# KiCad board k410t-devboard.kicad_pcb (continued)
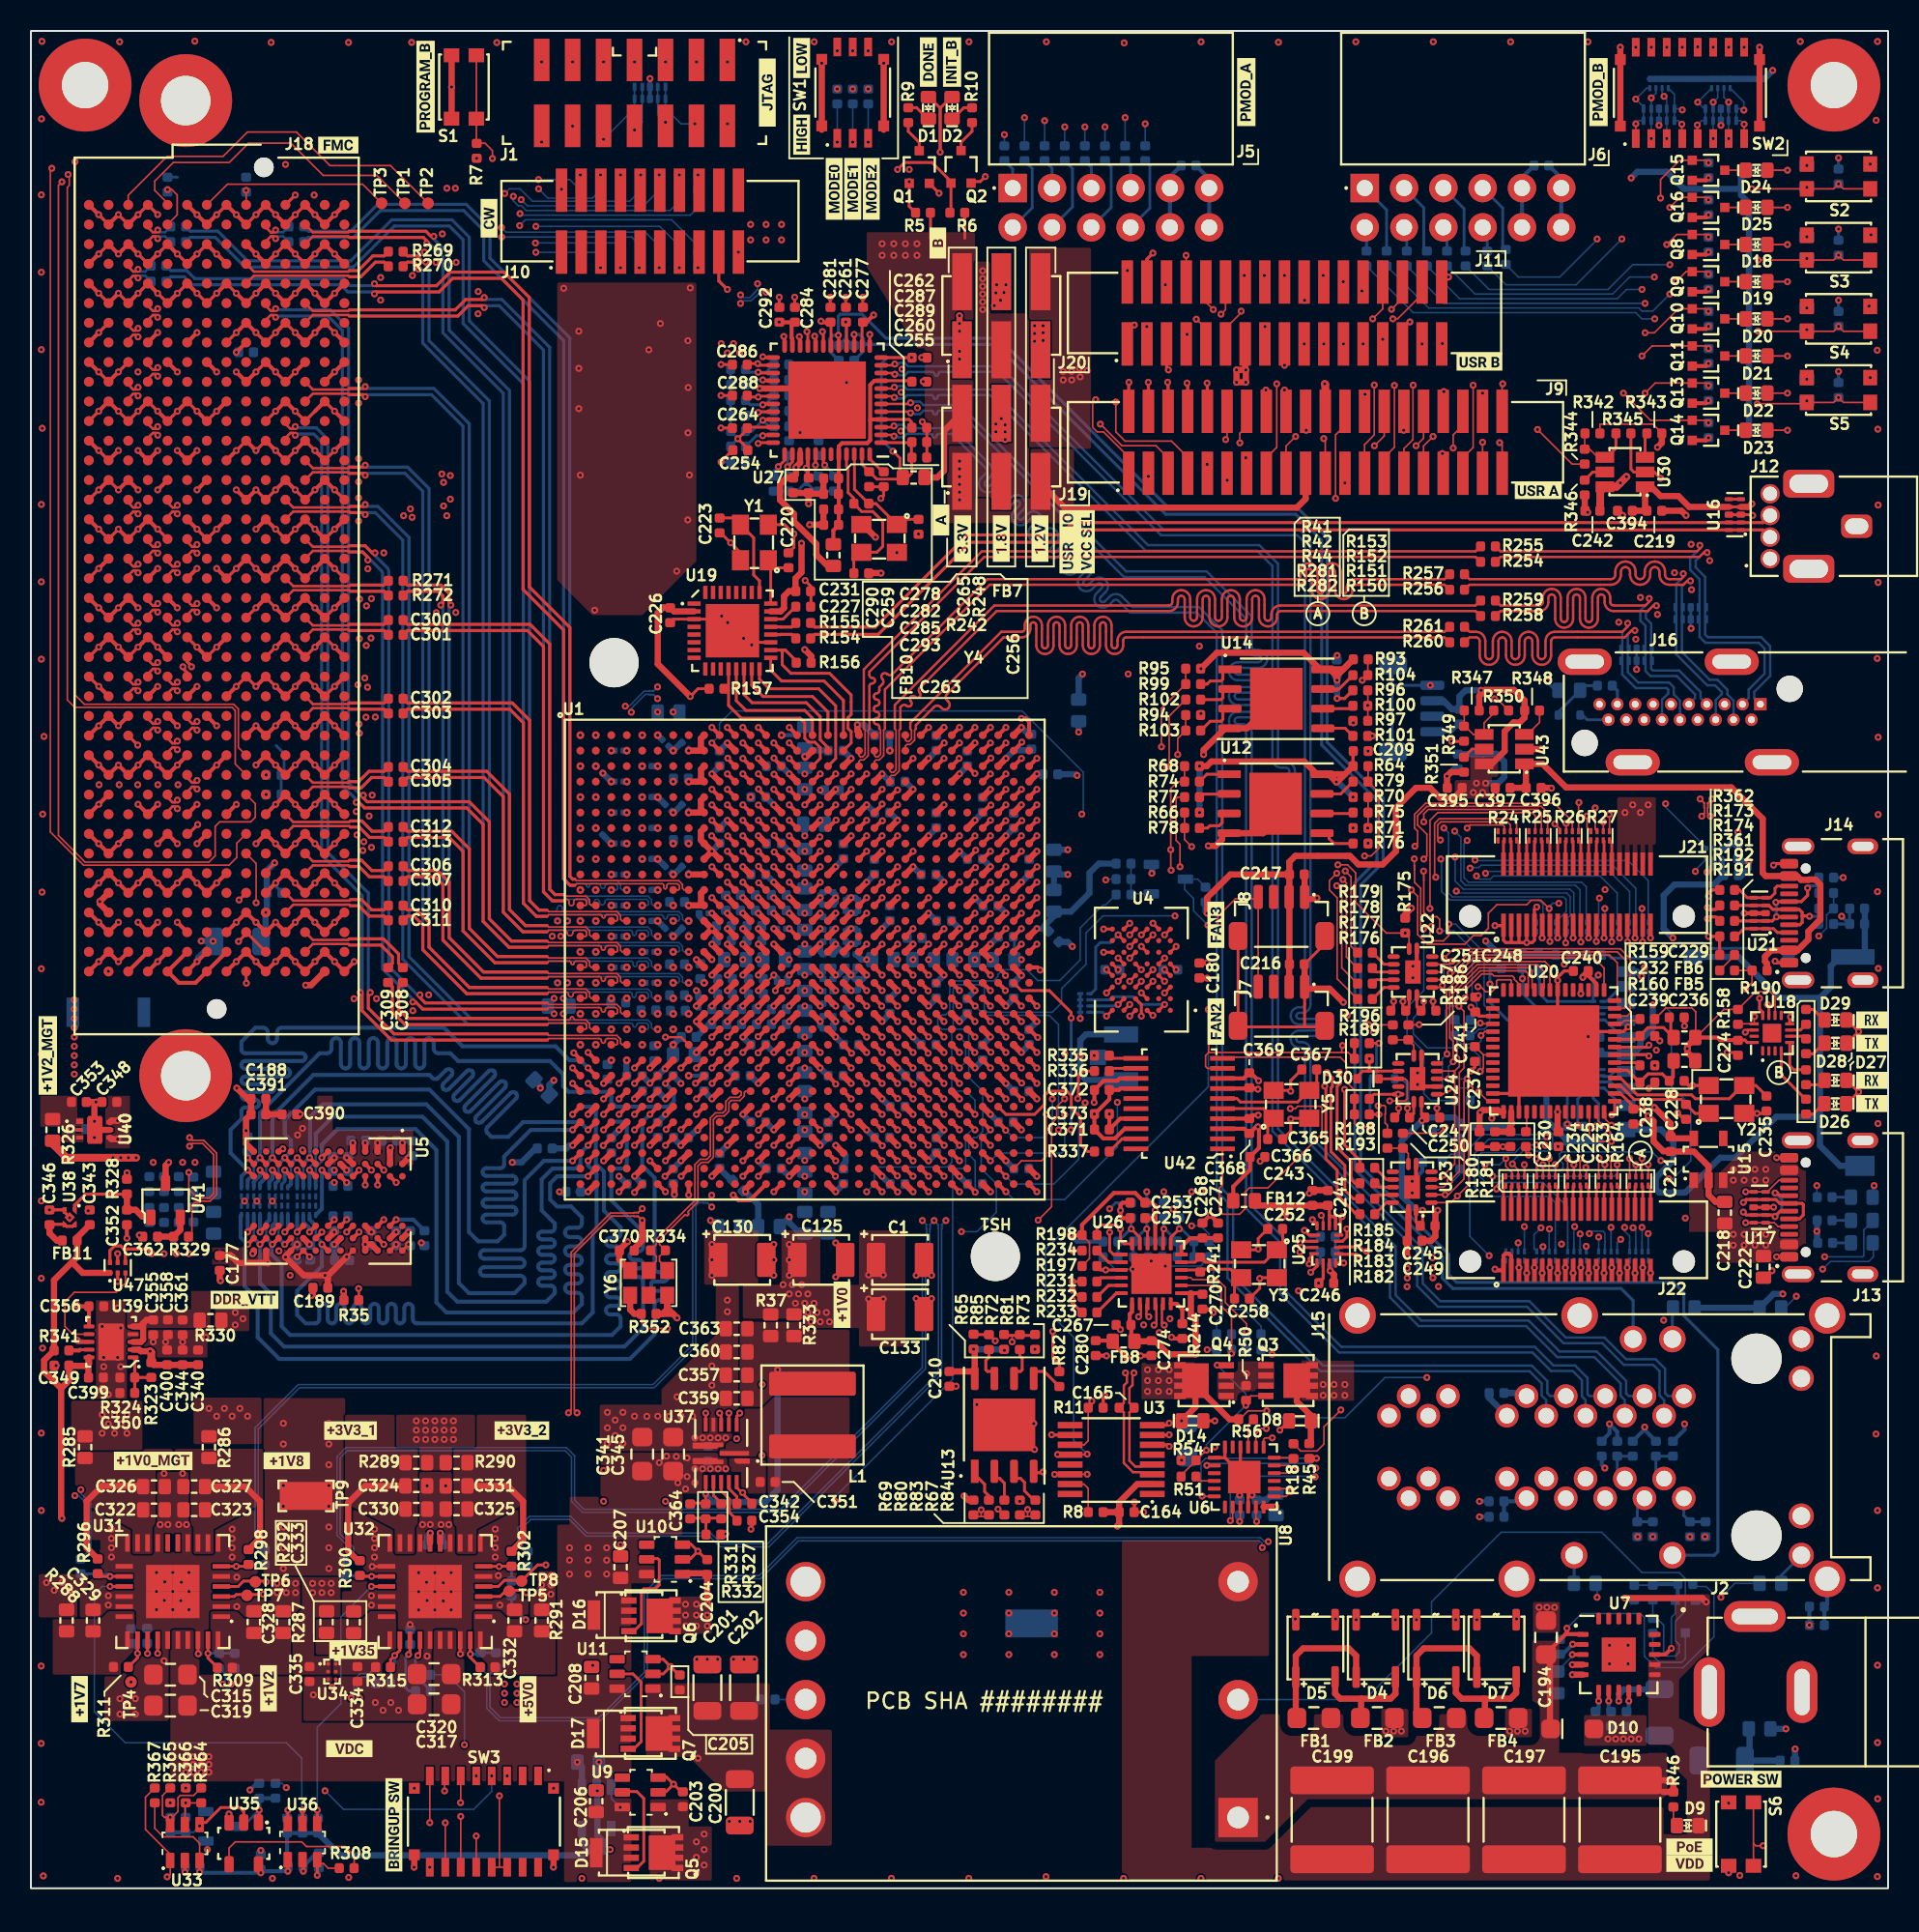
[diagram p0: board, top side]
## Routing (per net, layer and track width the routed paths; a pad name or vN(x,y) marks a point on that pad's centre or on a via; arc(x,y) is an arc through that point) (continued)
/DRAM + SRAM/DDR.A1: length 40.7
  Top w0.256: v1(15.6,42.4) U5.L7 ; v1(36.98,47.99) 36.99,47.99 U1.AG3
  In7.Cu w0.157: v1(15.6,42.4) 15.6,43.22 17.28,44.9 27.6,44.9 28,44.5 29.25,44.5 arc(29.44,44.58) 29.53,44.78 29.53,45.13 arc(29.61,45.33) 29.8,45.41 arc(29.99,45.33) 30.07,45.13 30.07,43.87 arc(30.16,43.67) 30.35,43.59 arc(30.54,43.67) 30.62,43.87 30.62,45.13 arc(30.71,45.33) 30.9,45.41 arc(31.09,45.33) 31.18,45.13 31.18,43.87 arc(31.26,43.67) 31.45,43.59 arc(31.64,43.67) 31.72,43.87 31.72,45.13 arc(31.81,45.33) 32,45.41 arc(32.19,45.33) 32.28,45.13 32.28,43.87 arc(32.36,43.67) 32.55,43.59 arc(32.74,43.67) 32.82,43.87 32.82,44.22 arc(32.91,44.42) 33.1,44.5 38.22,44.5 38.5,44.78 38.5,47.22 38.22,47.5 37.47,47.5 v1(36.98,47.99)
  Bottom w0.256: v1(15.6,42.4) 15.6,42.82 15.8,43.02 15.8,43.5
/DRAM + SRAM/DDR.A2: length 41.1
  Top w0.256: v1(15.6,46.4) U5.L3 ; U1.AG4 38.03,48.03 v1(38.03,47.99)
  In5.Cu w0.15: 15.2,47.05 15.2,47.35
  In5.Cu w0.157: v1(15.6,46.4) 15.2,46.8 15.2,47.05 ; v1(38.03,47.99) 37.5,48.51 30.53,48.51 29.44,49.6 28.81,49.6 arc(28.67,49.66) 28.61,49.81 28.61,49.96 arc(28.55,50.1) 28.41,50.16 arc(28.27,50.1) 28.21,49.96 28.21,49.81 arc(28.15,49.66) 28.01,49.6 arc(27.87,49.66) 27.81,49.81 27.81,49.96 arc(27.75,50.1) 27.61,50.16 arc(27.47,50.1) 27.41,49.96 27.41,49.81 arc(27.35,49.66) 27.21,49.6 arc(27.07,49.66) 27.01,49.81 27.01,49.96 arc(26.95,50.1) 26.81,50.16 arc(26.67,50.1) 26.61,49.96 26.61,49.81 arc(26.55,49.66) 26.41,49.6 arc(26.27,49.66) 26.21,49.81 26.21,49.96 arc(26.15,50.1) 26.01,50.16 arc(25.87,50.1) 25.81,49.96 25.81,49.81 arc(25.75,49.66) 25.61,49.6 arc(25.47,49.66) 25.41,49.81 25.41,49.96 arc(25.35,50.1) 25.21,50.16 arc(25.07,50.1) 25.01,49.96 25.01,49.81 arc(24.95,49.66) 24.81,49.6 arc(24.67,49.66) 24.61,49.81 24.61,49.96 arc(24.55,50.1) 24.41,50.16 arc(24.27,50.1) 24.21,49.96 24.21,49.81 arc(24.15,49.66) 24.01,49.6 arc(23.87,49.66) 23.81,49.81 23.81,49.96 arc(23.75,50.1) 23.61,50.16 arc(23.47,50.1) 23.41,49.96 23.41,49.81 arc(23.35,49.66) 23.21,49.6 arc(23.07,49.66) 23.01,49.81 23.01,49.96 arc(22.95,50.1) 22.81,50.16 arc(22.67,50.1) 22.61,49.96 22.61,49.81 arc(22.55,49.66) 22.41,49.6 arc(22.27,49.66) 22.21,49.81 22.21,49.96 arc(22.15,50.1) 22.01,50.16 arc(21.87,50.1) 21.81,49.96 21.81,49.81 arc(21.75,49.66) 21.61,49.6 arc(21.47,49.66) 21.41,49.81 21.41,49.96 arc(21.35,50.1) 21.21,50.16 arc(21.07,50.1) 21.01,49.96 21.01,49.81 arc(20.95,49.66) 20.81,49.6 arc(20.67,49.66) 20.61,49.81 20.61,49.96 arc(20.55,50.1) 20.41,50.16 arc(20.27,50.1) 20.21,49.96 20.21,49.81 arc(20.15,49.66) 20.01,49.6 arc(19.87,49.66) 19.81,49.81 19.81,49.96 arc(19.75,50.1) 19.61,50.16 arc(19.47,50.1) 19.41,49.96 19.41,49.81 arc(19.35,49.66) 19.21,49.6 arc(19.07,49.66) 19.01,49.81 19.01,49.96 arc(18.95,50.1) 18.81,50.16 arc(18.67,50.1) 18.61,49.96 18.61,49.81 arc(18.55,49.66) 18.41,49.6 arc(18.27,49.66) 18.21,49.81 18.21,49.96 arc(18.15,50.1) 18.01,50.16 arc(17.87,50.1) 17.81,49.96 17.81,49.81 arc(17.75,49.66) 17.61,49.6 16.85,49.6 16.49,49.24 arc(16.44,49.1) 16.49,48.96 16.54,48.92 arc(16.6,48.77) 16.54,48.63 arc(16.4,48.57) 16.26,48.63 15.88,49.01 arc(15.74,49.07) 15.6,49.01 arc(15.54,48.87) 15.6,48.72 15.97,48.35 arc(16.03,48.21) 15.97,48.07 arc(15.83,48.01) 15.69,48.07 15.65,48.11 arc(15.5,48.17) 15.36,48.11 15.2,47.95 15.2,47.35
  Bottom w0.256: 15.4,45.3 15.4,45.64 15.6,45.84 v1(15.6,46.4)
/DRAM + SRAM/DDR.A3: length 53.7
  Top w0.256: U1.AF1 v1(35,49) ; v1(16.4,47.2) 16.8,46.8
  Bottom w0.15: 16,46.15 16,46.65
  Bottom w0.256: 15.8,45.3 15.8,45.54 16,45.74 16,46.15 ; v1(35,49) 32.3,49 30.57,47.28 30.57,46.78 arc(30.5,46.6) 30.32,46.53 29.43,46.53 arc(29.26,46.45) 29.18,46.28 arc(29.26,46.1) 29.43,46.03 31.12,46.03 arc(31.29,45.95) 31.37,45.78 arc(31.29,45.6) 31.12,45.53 29.43,45.53 arc(29.26,45.45) 29.18,45.28 arc(29.26,45.1) 29.43,45.03 31.12,45.03 arc(31.29,44.95) 31.37,44.78 arc(31.29,44.6) 31.12,44.53 29.43,44.53 arc(29.26,44.45) 29.18,44.28 arc(29.26,44.1) 29.43,44.03 31.12,44.03 arc(31.29,43.95) 31.37,43.78 arc(31.29,43.6) 31.12,43.53 29.43,43.53 arc(29.26,43.45) 29.18,43.28 arc(29.26,43.1) 29.43,43.03 30.32,43.03 arc(30.5,42.95) 30.57,42.78 30.57,42.22 30.15,41.8 28.9,41.8 28.3,42.4 28.3,49.05 25.75,51.6 18.35,51.6 16.4,49.65 16.4,48.72 16.8,48.32 16.8,47.6 v1(16.4,47.2) 16,46.8 16,46.65
/DRAM + SRAM/DDR.A4: length 54.9
  Top w0.256: U1.AE1 v1(35,50) ; v1(15.6,41.6) 16,42
  Bottom w0.15: 15.2,42.15 15.2,42.65
  Bottom w0.256: 15.2,42.65 15.2,42.97 15.4,43.17 15.4,43.5 ; v1(35,50) U1.AE1 36.25,50.5 36.5,50.25 36.5,46.82 37.03,46.3 37.03,43.78 38.1,42.7 38.1,42.3 arc(38.02,42.11) 37.82,42.03 37.43,42.03 arc(37.24,41.94) 37.16,41.75 arc(37.24,41.56) 37.43,41.47 37.82,41.47 arc(38.02,41.39) 38.1,41.2 arc(38.02,41.01) 37.82,40.93 37.43,40.93 arc(37.24,40.84) 37.16,40.65 arc(37.24,40.46) 37.43,40.38 37.82,40.38 arc(38.02,40.29) 38.1,40.1 arc(38.02,39.91) 37.82,39.82 37.43,39.82 arc(37.24,39.74) 37.16,39.55 arc(37.24,39.36) 37.43,39.28 37.82,39.28 arc(38.02,39.19) 38.1,39 arc(38.02,38.81) 37.82,38.72 37.43,38.72 arc(37.24,38.64) 37.16,38.45 arc(37.24,38.26) 37.43,38.18 37.82,38.18 arc(38.02,38.09) 38.1,37.9 arc(38.02,37.71) 37.82,37.62 37.43,37.62 arc(37.24,37.54) 37.16,37.35 arc(37.24,37.16) 37.43,37.07 37.82,37.07 arc(38.02,36.99) 38.1,36.8 38.1,36.3 37.55,35.75 16.75,35.75 16.2,36.3 16.2,40.3 15.55,40.95 15.55,41.55 v1(15.6,41.6) 15.2,42 15.2,42.15
/DRAM + SRAM/DDR.A5: length 53.2
  Top w0.256: v1(15.6,47.2) U5.L2 ; U1.AF2 v1(36,49)
  Bottom w0.15: 15.2,46.12 15.2,46.65
  Bottom w0.256: 15.2,46.65 15.2,46.8 v1(15.6,47.2) 15.6,49.9 18.25,52.55 25.75,52.55 25.95,52.35 arc(26.13,52.28) 26.3,52.35 26.81,52.86 arc(26.99,52.93) 27.17,52.86 arc(27.24,52.68) 27.17,52.5 26.66,52 arc(26.58,51.82) 26.66,51.64 arc(26.83,51.57) 27.01,51.64 28.16,52.79 arc(28.33,52.86) 28.51,52.79 arc(28.58,52.61) 28.51,52.43 27.36,51.29 arc(27.29,51.11) 27.36,50.94 arc(27.54,50.86) 27.72,50.94 29.57,52.79 arc(29.75,52.86) 29.92,52.79 arc(30,52.61) 29.92,52.43 28.07,50.58 arc(28,50.41) 28.07,50.23 arc(28.25,50.16) 28.42,50.23 30.28,52.08 arc(30.45,52.15) 30.63,52.08 arc(30.7,51.9) 30.63,51.73 28.78,49.88 arc(28.71,49.7) 28.78,49.52 arc(28.96,49.45) 29.13,49.52 30.98,51.37 arc(31.16,51.45) 31.34,51.37 arc(31.41,51.2) 31.34,51.02 29.49,49.17 arc(29.41,48.99) 29.49,48.81 29.75,48.55 30.85,48.55 31.8,49.5 35.5,49.5 v1(36,49) ; 15.2,46.12 15.2,45.94 14.8,45.54 14.8,45.3
/DRAM + SRAM/DDR.A6: length 53.3
  Top w0.256: U1.AF3 v1(37,49) ; v1(14.8,41.6) 15.2,42
  Bottom w0.15: 14.4,42.15 14.4,42.65
  Bottom w0.256: 14.4,43.5 14.4,42.65 ; v1(37,49) 37.53,49.53 38.2,49.53 38.5,49.22 38.5,46.7 38.3,46.5 37.65,46.5 37.5,46.35 37.5,44.45 39.55,42.4 39.55,41.43 arc(39.47,41.23) 39.28,41.15 38.96,41.15 arc(38.76,41.07) 38.68,40.88 arc(38.76,40.68) 38.96,40.6 39.28,40.6 arc(39.47,40.52) 39.55,40.32 arc(39.47,40.13) 39.28,40.05 38.96,40.05 arc(38.76,39.97) 38.68,39.78 arc(38.76,39.58) 38.96,39.5 39.28,39.5 arc(39.47,39.42) 39.55,39.22 39.55,36.2 38.35,35 16.35,35 15.5,35.85 15.5,38.4 14.8,39.1 v1(14.8,41.6) 14.4,42 14.4,42.15
/DRAM + SRAM/DDR.A7: length 56.9
  Top w0.256: v1(14.8,47.2) U5.M2 ; U1.AC7 v1(41,52)
  Bottom w0.15: 14.4,46.15 14.4,46.65
  Bottom w0.256: 14.4,46.65 14.4,46.8 v1(14.8,47.2) 14.8,50.1 18.65,53.95 19.12,53.95 arc(19.34,54.04) 19.43,54.25 19.43,54.63 arc(19.51,54.84) 19.72,54.93 arc(19.94,54.84) 20.03,54.63 20.03,53.27 arc(20.11,53.06) 20.32,52.97 arc(20.54,53.06) 20.62,53.27 20.62,54.63 arc(20.71,54.84) 20.93,54.93 arc(21.14,54.84) 21.22,54.63 21.22,53.27 arc(21.31,53.06) 21.53,52.97 arc(21.74,53.06) 21.82,53.27 21.82,54.63 arc(21.91,54.84) 22.12,54.93 arc(22.34,54.84) 22.43,54.63 22.43,53.27 arc(22.51,53.06) 22.72,52.97 arc(22.94,53.06) 23.03,53.27 23.03,54.63 arc(23.11,54.84) 23.32,54.93 arc(23.54,54.84) 23.62,54.63 23.62,53.27 arc(23.71,53.06) 23.93,52.97 arc(24.14,53.06) 24.22,53.27 24.22,54.63 arc(24.31,54.84) 24.53,54.93 arc(24.74,54.84) 24.82,54.63 24.82,53.27 arc(24.91,53.06) 25.12,52.97 arc(25.34,53.06) 25.43,53.27 25.43,54.63 arc(25.51,54.84) 25.72,54.93 arc(25.94,54.84) 26.03,54.63 26.03,54.25 arc(26.11,54.04) 26.32,53.95 27.1,53.95 27.6,53.45 33.53,53.45 34.39,52.59 34.39,51.81 34.75,51.45 37.2,51.45 37.5,51.15 37.5,50.8 37.8,50.5 41.2,50.5 41.55,50.85 41.55,51.45 v1(41,52) ; 14.4,46.15 14,45.75 14,45.3
/DRAM + SRAM/DDR.A8: length 54.5
  Top w0.256: U1.AE6 v1(40,50) ; v1(14,41.6) 14.4,42
  Bottom w0.256: 13.6,43.5 13.55,43.45 13.55,42.05 v1(14,41.6) 13.8,41.4 13.8,38.9 14.65,38.05 14.65,35.6 16.05,34.2 38.7,34.2 40.3,35.8 40.3,37.7 arc(40.39,37.91) 40.6,38 40.86,38 arc(41.08,38.09) 41.16,38.3 arc(41.08,38.51) 40.86,38.6 40.19,38.6 arc(40.12,38.63) 40.09,38.71 40.09,39.09 arc(40.12,39.17) 40.19,39.2 40.86,39.2 arc(41.08,39.29) 41.16,39.5 arc(41.08,39.71) 40.86,39.8 40.6,39.8 arc(40.39,39.89) 40.3,40.1 40.3,45.9 39.5,46.7 39.5,49.5 v1(40,50)
/DRAM + SRAM/DDR.A9: length 45.9
  Top w0.256: v1(40.01,50.98) 40.01,51.01 U1.AD6 40,51 ; v1(14.8,46.4) U5.M3
  In7.Cu w0.15: 14.4,47.05 14.4,47.35
  In7.Cu w0.157: 14.4,47.35 14.4,51.2 15.18,51.97 arc(15.33,52.04) 15.49,51.97 15.9,51.57 arc(16.06,51.5) 16.22,51.57 arc(16.29,51.73) 16.22,51.88 15.08,53.02 arc(15.02,53.18) 15.08,53.34 arc(15.24,53.4) 15.4,53.34 16.54,52.2 arc(16.7,52.14) 16.86,52.2 arc(16.92,52.36) 16.86,52.52 15.72,53.66 arc(15.65,53.82) 15.72,53.97 arc(15.88,54.04) 16.04,53.97 17.17,52.84 arc(17.33,52.77) 17.49,52.84 arc(17.56,53) 17.49,53.16 17.08,53.57 arc(17.02,53.73) 17.08,53.88 17.85,54.65 30.55,54.65 33.7,51.5 39.49,51.5 v1(40.01,50.98) ; 14.4,47.05 14.4,46.8 v1(14.8,46.4)
  Bottom w0.256: v1(14.8,46.4) 14.8,46.05 14.4,45.65 14.4,45.3
/DRAM + SRAM/DDR.A10: length 46.9
  Top w0.256: U1.AC4 v1(38,52) ; U5.H7 v1(18,42.4)
  In7.Cu w0.157: v1(38,52) U1.AC4 40.25,52.5 40.5,52.25 40.5,51.7 40.7,51.5 42.25,51.5 42.5,51.25 42.5,45.75 43.05,45.2 43.05,42.6 38.9,38.45 30.05,38.45 24.8,43.7 21.68,43.7 arc(21.55,43.65) 21.5,43.53 21.5,43.52 arc(21.45,43.39) 21.32,43.34 arc(21.2,43.39) 21.15,43.52 21.15,43.53 arc(21.1,43.65) 20.97,43.7 19.3,43.7 v1(18,42.4)
  Bottom w0.256: 17.6,43.5 17.6,43.05 18,42.65 v1(18,42.4)
/DRAM + SRAM/DDR.A11: length 49.4
  Top w0.256: v1(14.8,42.4) U5.M7 ; U1.AC5 v1(39,52) U1.AC5
  In5.Cu w0.15: 13.81,42 14.16,42
  In5.Cu w0.157: U1.AC5 39.5,53.55 38.15,54.9 19.25,54.9 arc(19.09,54.97) 19.03,55.13 19.03,55.64 arc(18.96,55.8) 18.8,55.87 arc(18.64,55.8) 18.58,55.64 18.58,54.16 arc(18.51,54) 18.35,53.94 arc(18.19,54) 18.13,54.16 18.13,54.68 arc(18.06,54.84) 17.9,54.9 17.2,54.9 11.25,48.95 11.25,44.4 13.65,42 13.81,42 ; U1.AC5 v1(39,52) U1.AC5 ; 14.16,42 14.4,42 v1(14.8,42.4)
  Bottom w0.256: 14.8,43.5 v1(14.8,42.4)
/DRAM + SRAM/DDR.A12: length 45.9
  Top w0.256: v1(16.4,42.4) 16.8,42.8 ; U1.AC1 v1(35,53)
  In5.Cu w0.157: v1(35,53) 33.65,53 32.65,52 20.85,52 arc(20.69,52.07) 20.62,52.22 20.62,52.66 arc(20.56,52.82) 20.4,52.89 arc(20.24,52.82) 20.18,52.66 20.18,51.39 arc(20.11,51.23) 19.95,51.16 arc(19.79,51.23) 19.72,51.39 19.72,52.66 arc(19.66,52.82) 19.5,52.89 arc(19.34,52.82) 19.28,52.66 19.28,51.39 arc(19.21,51.23) 19.05,51.16 arc(18.89,51.23) 18.82,51.39 18.82,52.66 arc(18.76,52.82) 18.6,52.89 arc(18.44,52.82) 18.38,52.66 18.38,51.39 arc(18.31,51.23) 18.15,51.16 arc(17.99,51.23) 17.93,51.39 17.93,52.66 arc(17.86,52.82) 17.7,52.89 arc(17.54,52.82) 17.47,52.66 17.47,52.22 arc(17.41,52.07) 17.25,52 16.3,52 12.6,48.3 12.6,44.45 13.2,43.85 14.95,43.85 v1(16.4,42.4)
  Bottom w0.256: v1(16.4,42.4) 16.6,42.6 16.6,43.5
/DRAM + SRAM/DDR.A13: length 57.1
  Top w0.177: U1.AC2 v1(36,53)
  Top w0.256: v1(36,53) U1.AC2 ; v1(14,46.4) U5.N3
  Bottom w0.256: v1(36,53) 35.5,53.5 34.8,53.5 33.9,54.4 27.89,54.4 26.69,55.6 16.2,55.6 arc(15.99,55.51) 15.9,55.3 15.9,54.9 arc(15.81,54.69) 15.6,54.6 arc(15.39,54.69) 15.3,54.9 15.3,55.3 arc(15.21,55.51) 15,55.6 14.5,55.6 13.6,54.7 13.6,54.2 arc(13.67,54.02) 13.85,53.95 17.5,53.95 arc(17.68,53.88) 17.75,53.7 arc(17.68,53.52) 17.5,53.45 13.85,53.45 arc(13.67,53.38) 13.6,53.2 arc(13.67,53.02) 13.85,52.95 16.5,52.95 arc(16.68,52.88) 16.75,52.7 arc(16.68,52.52) 16.5,52.45 13.85,52.45 arc(13.67,52.38) 13.6,52.2 arc(13.67,52.02) 13.85,51.95 15.5,51.95 arc(15.68,51.88) 15.75,51.7 arc(15.68,51.52) 15.5,51.45 13.85,51.45 arc(13.67,51.38) 13.6,51.2 arc(13.67,51.02) 13.85,50.95 14.5,50.95 arc(14.68,50.88) 14.75,50.7 arc(14.68,50.52) 14.5,50.45 13.85,50.45 arc(13.67,50.38) 13.6,50.2 13.6,49.7 12.9,49 12.9,47.5 v1(14,46.4) 13.6,46 13.6,45.3
/DRAM + SRAM/DDR.A14: length 45
  Top w0.256: U1.AD3 v1(37,51) ; v1(14,42.4) U5.N7
  In5.Cu w0.157: v1(37,51) U1.AD3 37.5,52.5 36.5,53.5 32.45,53.5 arc(32.29,53.43) 32.22,53.28 32.22,52.85 arc(32.16,52.7) 32,52.63 arc(31.84,52.7) 31.78,52.85 31.78,54.15 arc(31.71,54.3) 31.55,54.37 arc(31.39,54.3) 31.32,54.15 31.32,52.85 arc(31.26,52.7) 31.1,52.63 arc(30.94,52.7) 30.88,52.85 30.88,54.15 arc(30.81,54.3) 30.65,54.37 arc(30.49,54.3) 30.43,54.15 30.43,53.72 arc(30.36,53.57) 30.2,53.5 16.9,53.5 12,48.6 12,44.4 v1(14,42.4)
  Bottom w0.256: 14,43.5 v1(14,42.4)
/DRAM + SRAM/DDR.A15: length 43.2
  Top w0.256: U5.J7 v1(17.2,42.4) ; U1.AD4 v1(38,51)
  In7.Cu w0.157: v1(17.2,42.4) 18.9,44.1 25.9,44.1 30.03,39.97 32.38,39.97 arc(32.59,40.06) 32.68,40.27 32.68,40.59 arc(32.77,40.8) 32.98,40.89 arc(33.19,40.8) 33.28,40.59 33.28,40.27 arc(33.37,40.06) 33.58,39.97 38.63,39.97 42,43.34 42,45.3 41.5,45.8 41.5,50.2 41.2,50.5 38.5,50.5 v1(38,51)
  Bottom w0.256: 17.2,43.5 v1(17.2,42.4)
/DRAM + SRAM/DDR.BA0: length 43.7
  Top w0.256: v1(17.2,47.2) U5.J2 ; U1.AF5 v1(39,49)
  In7.Cu w0.157: v1(39,49) 38.5,49.5 31.62,49.5 30.47,50.65 30.1,50.65 arc(29.91,50.73) 29.82,50.93 29.82,51.45 arc(29.74,51.65) 29.55,51.73 arc(29.36,51.65) 29.28,51.45 29.28,50.93 arc(29.19,50.73) 29,50.65 arc(28.81,50.73) 28.72,50.93 28.72,51.5 arc(28.64,51.7) 28.45,51.78 arc(28.26,51.7) 28.18,51.5 28.18,50.93 arc(28.09,50.73) 27.9,50.65 arc(27.71,50.73) 27.62,50.93 27.62,51.5 arc(27.54,51.7) 27.35,51.78 arc(27.16,51.7) 27.07,51.5 27.07,50.93 arc(26.99,50.73) 26.8,50.65 arc(26.61,50.73) 26.53,50.93 26.53,51.5 arc(26.44,51.7) 26.25,51.78 arc(26.06,51.7) 25.97,51.5 25.97,50.93 arc(25.89,50.73) 25.7,50.65 arc(25.51,50.73) 25.43,50.93 25.43,51.5 arc(25.34,51.7) 25.15,51.78 arc(24.96,51.7) 24.88,51.5 24.88,50.93 arc(24.79,50.73) 24.6,50.65 arc(24.41,50.73) 24.32,50.93 24.32,51.45 arc(24.24,51.65) 24.05,51.73 arc(23.86,51.65) 23.78,51.45 23.78,50.93 arc(23.69,50.73) 23.5,50.65 arc(23.31,50.73) 23.22,50.93 23.22,51.5 arc(23.14,51.7) 22.95,51.78 arc(22.76,51.7) 22.68,51.5 22.68,50.93 arc(22.59,50.73) 22.4,50.65 arc(22.21,50.73) 22.12,50.93 22.12,51.5 arc(22.04,51.7) 21.85,51.78 arc(21.66,51.7) 21.57,51.5 21.57,50.93 arc(21.49,50.73) 21.3,50.65 arc(21.11,50.73) 21.03,50.93 21.03,51.5 arc(20.94,51.7) 20.75,51.78 arc(20.56,51.7) 20.47,51.5 20.47,50.93 arc(20.39,50.73) 20.2,50.65 19.8,50.65 17.12,47.97 17.12,47.28 v1(17.2,47.2)
  Bottom w0.15: 16.8,46.15 16.8,46.65
  Bottom w0.256: 16.8,46.65 16.8,46.8 v1(17.2,47.2) ; 16.6,45.3 16.8,45.5 16.8,46.15
/DRAM + SRAM/DDR.BA1: length 44.1
  Top w0.256: v1(16.4,41.6) 16.8,42 ; U1.AE5 v1(39,50)
  In7.Cu w0.15: 16.8,42.22 16.8,42.57
  In7.Cu w0.157: 16.8,42.22 16.8,42 v1(16.4,41.6) ; 16.8,42.57 16.8,43.22 18.05,44.47 26.68,44.47 29.8,41.35 34.53,41.35 arc(34.68,41.42) 34.75,41.57 34.75,42.1 arc(34.82,42.26) 34.97,42.32 arc(35.13,42.26) 35.2,42.1 35.2,41.57 arc(35.27,41.42) 35.43,41.35 arc(35.58,41.42) 35.65,41.57 35.65,42.1 arc(35.72,42.26) 35.88,42.32 arc(36.03,42.26) 36.1,42.1 36.1,41.57 arc(36.17,41.42) 36.32,41.35 arc(36.48,41.42) 36.55,41.57 36.55,42.1 arc(36.62,42.26) 36.78,42.32 arc(36.93,42.26) 37,42.1 37,41.57 arc(37.07,41.42) 37.22,41.35 38.7,41.35 40.35,43 40.35,46.05 40.5,46.2 40.5,49.25 40.25,49.5 39.5,49.5 v1(39,50)
  Bottom w0.15: 16,42.15 16,42.65
  Bottom w0.256: 16.2,43.5 16.2,42.9 16,42.7 16,42.65 ; v1(16.4,41.6) 16,42 16,42.15
/DRAM + SRAM/DDR.BA2: length 43.4
  Top w0.256: v1(17.2,46.4) U5.J3 ; U1.AE3 v1(37,50)
  In7.Cu w0.15: 16.8,47.03 16.8,47.38
  In7.Cu w0.157: 16.8,47.03 16.8,46.8 v1(17.2,46.4) ; 16.8,47.38 16.8,50 18.9,52.1 19.55,52.1 arc(19.71,52.17) 19.78,52.32 19.78,52.92 arc(19.84,53.08) 20,53.14 arc(20.16,53.08) 20.22,52.92 20.22,52.32 arc(20.29,52.17) 20.45,52.1 arc(20.61,52.17) 20.68,52.32 20.68,52.92 arc(20.74,53.08) 20.9,53.14 arc(21.06,53.08) 21.12,52.92 21.12,52.32 arc(21.19,52.17) 21.35,52.1 arc(21.51,52.17) 21.57,52.32 21.57,52.92 arc(21.64,53.08) 21.8,53.14 arc(21.96,53.08) 22.03,52.92 22.03,52.32 arc(22.09,52.17) 22.25,52.1 arc(22.41,52.17) 22.47,52.32 22.47,52.92 arc(22.54,53.08) 22.7,53.14 arc(22.86,53.08) 22.93,52.92 22.93,52.32 arc(22.99,52.17) 23.15,52.1 arc(23.31,52.17) 23.38,52.32 23.38,52.92 arc(23.44,53.08) 23.6,53.14 arc(23.76,53.08) 23.82,52.92 23.82,52.32 arc(23.89,52.17) 24.05,52.1 arc(24.21,52.17) 24.28,52.32 24.28,52.92 arc(24.34,53.08) 24.5,53.14 arc(24.66,53.08) 24.72,52.92 24.72,52.32 arc(24.79,52.17) 24.95,52.1 arc(25.11,52.17) 25.18,52.32 25.18,52.92 arc(25.24,53.08) 25.4,53.14 arc(25.56,53.08) 25.62,52.92 25.62,52.32 arc(25.69,52.17) 25.85,52.1 arc(26.01,52.17) 26.07,52.32 26.07,52.92 arc(26.14,53.08) 26.3,53.14 arc(26.46,53.08) 26.53,52.92 26.53,52.32 arc(26.59,52.17) 26.75,52.1 arc(26.91,52.17) 26.97,52.32 26.97,52.92 arc(27.04,53.08) 27.2,53.14 arc(27.36,53.08) 27.43,52.92 27.43,52.32 arc(27.49,52.17) 27.65,52.1 30.35,52.1 31.95,50.5 36.22,50.5 36.72,50 v1(37,50)
  Bottom w0.256: 17.2,45.3 v1(17.2,46.4)
/DRAM + SRAM/DDR.CK_N: length 43.3
  Top w0.225: U5.G7 v1(19.6,43.2)
  Top w0.256: U1.AD1 v1(35,52)
  In5.Cu w0.141: v1(19.6,43.2) 19.85,43.45 19.85,44.24 18.49,45.6 13.59,45.6 13.15,46.04 13.15,47.56 16.34,50.75 29.87,50.75 arc(30.01,50.81) 30.07,50.95 30.07,51.13 arc(30.22,51.48) 30.57,51.63 arc(30.93,51.48) 31.07,51.13 31.07,49.77 arc(31.13,49.63) 31.27,49.57 arc(31.41,49.63) 31.47,49.77 31.47,51.13 arc(31.62,51.48) 31.97,51.63 arc(32.33,51.48) 32.47,51.13 32.47,49.77 arc(32.53,49.63) 32.67,49.57 arc(32.81,49.63) 32.87,49.77 32.87,50.25 arc(33.02,50.61) 33.37,50.75 33.85,50.75 arc(34.01,50.82) 34.08,50.98 34.08,50.98 arc(34.14,51.14) 34.3,51.21 arc(34.46,51.14) 34.53,50.98 34.53,50.98 arc(34.59,50.82) 34.75,50.75 34.94,50.75 35.35,51.16 35.35,51.65 v1(35,52)
/DRAM + SRAM/DDR.CK_P: length 43.6
  Top w0.225: 20,42.8 v1(20.4,43.2)
  Top w0.256: U1.AD2 v1(36,52)
  In5.Cu w0.141: v1(36,52) 35.65,51.65 35.65,51.04 35.06,50.45 33.37,50.45 arc(33.23,50.39) 33.18,50.25 33.18,49.77 arc(33.03,49.42) 32.67,49.27 arc(32.32,49.42) 32.17,49.77 32.17,51.13 arc(32.11,51.27) 31.97,51.33 arc(31.83,51.27) 31.78,51.13 31.78,49.77 arc(31.63,49.42) 31.27,49.27 arc(30.92,49.42) 30.77,49.77 30.77,51.13 arc(30.71,51.27) 30.57,51.33 arc(30.43,51.27) 30.38,51.13 30.38,50.95 arc(30.23,50.59) 29.87,50.45 16.46,50.45 14.38,48.36 arc(14.33,48.24) 14.38,48.11 14.52,47.97 arc(14.57,47.85) 14.52,47.72 arc(14.4,47.67) 14.27,47.72 14.13,47.87 arc(14.01,47.92) 13.88,47.87 13.45,47.44 13.45,46.16 13.71,45.9 18.61,45.9 20.15,44.36 20.15,43.45 v1(20.4,43.2)
/DRAM + SRAM/DDR.CKE: length 50.8
  Top w0.256: U5.G9 v1(18.8,41.6) ; U1.AH2 v1(36,47)
  Bottom w0.15: 18.4,42.15 18.4,42.65
  Bottom w0.256: 18.4,42.65 18.4,42.81 18,43.21 18,43.5 ; v1(36,47) 36,46.7 36.55,46.15 36.55,42.65 36.3,42.4 36.3,37.2 35.6,36.5 24.95,36.5 arc(24.76,36.58) 24.68,36.78 24.68,37.49 arc(24.59,37.68) 24.4,37.76 arc(24.21,37.68) 24.12,37.49 24.12,36.78 arc(24.04,36.58) 23.85,36.5 arc(23.66,36.58) 23.57,36.78 23.57,37.49 arc(23.49,37.68) 23.3,37.76 arc(23.11,37.68) 23.03,37.49 23.03,36.78 arc(22.94,36.58) 22.75,36.5 arc(22.56,36.58) 22.47,36.78 22.47,37.49 arc(22.39,37.68) 22.2,37.76 arc(22.01,37.68) 21.93,37.49 21.93,36.78 arc(21.84,36.58) 21.65,36.5 arc(21.46,36.58) 21.38,36.78 21.38,37.49 arc(21.29,37.68) 21.1,37.76 arc(20.91,37.68) 20.82,37.49 20.82,36.78 arc(20.74,36.58) 20.55,36.5 arc(20.36,36.58) 20.28,36.78 20.28,37.49 arc(20.19,37.68) 20,37.76 arc(19.81,37.68) 19.72,37.49 19.72,36.78 arc(19.64,36.58) 19.45,36.5 arc(19.26,36.58) 19.18,36.78 19.18,37.49 arc(19.09,37.68) 18.9,37.76 arc(18.71,37.68) 18.62,37.49 18.62,36.78 arc(18.54,36.58) 18.35,36.5 17.75,36.5 17.2,37.05 17.2,38.6 18.8,40.2 v1(18.8,41.6) 18.8,41.7 18.4,42.1 18.4,42.15
/DRAM + SRAM/DDR.DM: length 56.9
  Top w0.256: U1.AF8 42.02,49.02 v1(42.01,49.02) ; U5.B7 v1(23.6,43.2)
  In5.Cu w0.157: v1(23.6,43.2) 22.18,41.78 22.18,41.18 24.2,39.15 24.2,37.12 28.65,32.68 29.55,32.68 arc(29.71,32.61) 29.78,32.45 29.78,32.23 arc(29.84,32.07) 30,32 arc(30.16,32.07) 30.22,32.23 30.22,32.45 arc(30.29,32.61) 30.45,32.68 arc(30.61,32.61) 30.68,32.45 30.68,32.23 arc(30.74,32.07) 30.9,32 arc(31.06,32.07) 31.12,32.23 31.12,32.45 arc(31.19,32.61) 31.35,32.68 arc(31.51,32.61) 31.57,32.45 31.57,32.23 arc(31.64,32.07) 31.8,32 arc(31.96,32.07) 32.03,32.23 32.03,32.45 arc(32.09,32.61) 32.25,32.68 arc(32.41,32.61) 32.47,32.45 32.47,32.23 arc(32.54,32.07) 32.7,32 arc(32.86,32.07) 32.93,32.23 32.93,32.45 arc(32.99,32.61) 33.15,32.68 arc(33.31,32.61) 33.38,32.45 33.38,32.23 arc(33.44,32.07) 33.6,32 arc(33.76,32.07) 33.82,32.23 33.82,32.45 arc(33.89,32.61) 34.05,32.68 arc(34.21,32.61) 34.28,32.45 34.28,32.23 arc(34.34,32.07) 34.5,32 arc(34.66,32.07) 34.72,32.23 34.72,32.45 arc(34.79,32.61) 34.95,32.68 arc(35.11,32.61) 35.18,32.45 35.18,32.23 arc(35.24,32.07) 35.4,32 arc(35.56,32.07) 35.62,32.23 35.62,32.45 arc(35.69,32.61) 35.85,32.68 arc(36.01,32.61) 36.07,32.45 36.07,32.23 arc(36.14,32.07) 36.3,32 arc(36.46,32.07) 36.53,32.23 36.53,32.45 arc(36.59,32.61) 36.75,32.68 arc(36.91,32.61) 36.97,32.45 36.97,32.23 arc(37.04,32.07) 37.2,32 arc(37.36,32.07) 37.43,32.23 37.43,32.45 arc(37.49,32.61) 37.65,32.68 arc(37.81,32.61) 37.88,32.45 37.88,32.23 arc(37.94,32.07) 38.1,32 arc(38.26,32.07) 38.32,32.23 38.32,32.45 arc(38.39,32.61) 38.55,32.68 40.53,32.68 43.5,35.65 43.5,47.52 v1(42.01,49.02)
  Bottom w0.256: 25.42,42.49 24.71,43.2 v1(23.6,43.2)
/DRAM + SRAM/DDR.DQ0: length 51.1
  Top w0.256: U1.AK5 39,45 v1(39,44.96) ; v1(23.6,45.6) U5.B3
  In5.Cu w0.157: v1(39,44.96) 39,40.9 38.55,40.45 38.12,40.45 arc(37.98,40.51) 37.93,40.65 37.93,41.73 arc(37.87,41.88) 37.72,41.93 arc(37.58,41.88) 37.53,41.73 37.53,40.65 arc(37.47,40.51) 37.32,40.45 arc(37.18,40.51) 37.12,40.65 37.12,41.73 arc(37.07,41.88) 36.93,41.93 arc(36.78,41.88) 36.72,41.73 36.72,40.65 arc(36.67,40.51) 36.53,40.45 arc(36.38,40.51) 36.32,40.65 36.32,41.73 arc(36.27,41.88) 36.12,41.93 arc(35.98,41.88) 35.93,41.73 35.93,40.65 arc(35.87,40.51) 35.72,40.45 arc(35.58,40.51) 35.53,40.65 35.53,41.73 arc(35.47,41.88) 35.32,41.93 arc(35.18,41.88) 35.12,41.73 35.12,40.65 arc(35.07,40.51) 34.93,40.45 arc(34.78,40.51) 34.72,40.65 34.72,41.73 arc(34.67,41.88) 34.53,41.93 arc(34.38,41.88) 34.32,41.73 34.32,40.65 arc(34.27,40.51) 34.12,40.45 arc(33.98,40.51) 33.93,40.65 33.93,41.73 arc(33.87,41.88) 33.72,41.93 arc(33.58,41.88) 33.53,41.73 33.53,40.65 arc(33.47,40.51) 33.32,40.45 arc(33.18,40.51) 33.12,40.65 33.12,41.73 arc(33.07,41.88) 32.93,41.93 arc(32.78,41.88) 32.72,41.73 32.72,40.65 arc(32.67,40.51) 32.53,40.45 arc(32.38,40.51) 32.32,40.65 32.32,41.73 arc(32.27,41.88) 32.12,41.93 arc(31.98,41.88) 31.93,41.73 31.93,40.65 arc(31.87,40.51) 31.72,40.45 arc(31.58,40.51) 31.53,40.65 31.53,41.73 arc(31.47,41.88) 31.32,41.93 arc(31.18,41.88) 31.12,41.73 31.12,40.65 arc(31.07,40.51) 30.93,40.45 arc(30.78,40.51) 30.72,40.65 30.72,41.73 arc(30.67,41.88) 30.53,41.93 arc(30.38,41.88) 30.32,41.73 30.32,40.65 arc(30.27,40.51) 30.12,40.45 29.57,40.45 29.1,40.93 29.1,43.9 27.4,45.6 v1(23.6,45.6)
/DRAM + SRAM/DDR.DQ1: length 52.2
  Top w0.256: U1.AK8 v1(42.5,44.79) ; 22.4,42.8 v1(22.8,43.2)
  In5.Cu w0.157: v1(22.8,43.2) 23.25,43.65 24.15,43.65 25.95,41.85 25.95,37.6 28.45,35.1 29.15,35.1 arc(29.29,35.04) 29.35,34.9 29.35,34.54 arc(29.41,34.4) 29.55,34.34 arc(29.69,34.4) 29.75,34.54 29.75,34.9 arc(29.81,35.04) 29.95,35.1 arc(30.09,35.04) 30.15,34.9 30.15,34.54 arc(30.21,34.4) 30.35,34.34 arc(30.49,34.4) 30.55,34.54 30.55,34.9 arc(30.61,35.04) 30.75,35.1 arc(30.89,35.04) 30.95,34.9 30.95,34.54 arc(31.01,34.4) 31.15,34.34 arc(31.29,34.4) 31.35,34.54 31.35,34.9 arc(31.41,35.04) 31.55,35.1 arc(31.69,35.04) 31.75,34.9 31.75,34.54 arc(31.81,34.4) 31.95,34.34 arc(32.09,34.4) 32.15,34.54 32.15,34.9 arc(32.21,35.04) 32.35,35.1 arc(32.49,35.04) 32.55,34.9 32.55,34.54 arc(32.61,34.4) 32.75,34.34 arc(32.89,34.4) 32.95,34.54 32.95,34.9 arc(33.01,35.04) 33.15,35.1 arc(33.29,35.04) 33.35,34.9 33.35,34.54 arc(33.41,34.4) 33.55,34.34 arc(33.69,34.4) 33.75,34.54 33.75,34.9 arc(33.81,35.04) 33.95,35.1 arc(34.09,35.04) 34.15,34.9 34.15,34.54 arc(34.21,34.4) 34.35,34.34 arc(34.49,34.4) 34.55,34.54 34.55,34.9 arc(34.61,35.04) 34.75,35.1 arc(34.89,35.04) 34.95,34.9 34.95,34.54 arc(35.01,34.4) 35.15,34.34 arc(35.29,34.4) 35.35,34.54 35.35,34.9 arc(35.41,35.04) 35.55,35.1 arc(35.69,35.04) 35.75,34.9 35.75,34.54 arc(35.81,34.4) 35.95,34.34 arc(36.09,34.4) 36.15,34.54 36.15,34.9 arc(36.21,35.04) 36.35,35.1 arc(36.49,35.04) 36.55,34.9 36.55,34.54 arc(36.61,34.4) 36.75,34.34 arc(36.89,34.4) 36.95,34.54 36.95,34.9 arc(37.01,35.04) 37.15,35.1 arc(37.29,35.04) 37.35,34.9 37.35,34.54 arc(37.41,34.4) 37.55,34.34 arc(37.69,34.4) 37.75,34.54 37.75,34.9 arc(37.81,35.04) 37.95,35.1 arc(38.09,35.04) 38.15,34.9 38.15,34.54 arc(38.21,34.4) 38.35,34.34 arc(38.49,34.4) 38.55,34.54 38.55,34.9 arc(38.61,35.04) 38.75,35.1 arc(38.89,35.04) 38.95,34.9 38.95,34.54 arc(39.01,34.4) 39.15,34.34 arc(39.29,34.4) 39.35,34.54 39.35,34.9 arc(39.41,35.04) 39.55,35.1 arc(39.69,35.04) 39.75,34.9 39.75,34.54 arc(39.81,34.4) 39.95,34.34 arc(40.09,34.4) 40.15,34.54 40.15,34.9 arc(40.21,35.04) 40.35,35.1 40.65,35.1 42.2,36.65 42.2,43.64 42.5,43.94 v1(42.5,44.79)